# KiCad board Si5351ABreakout_panel.kicad_pcb (continued)
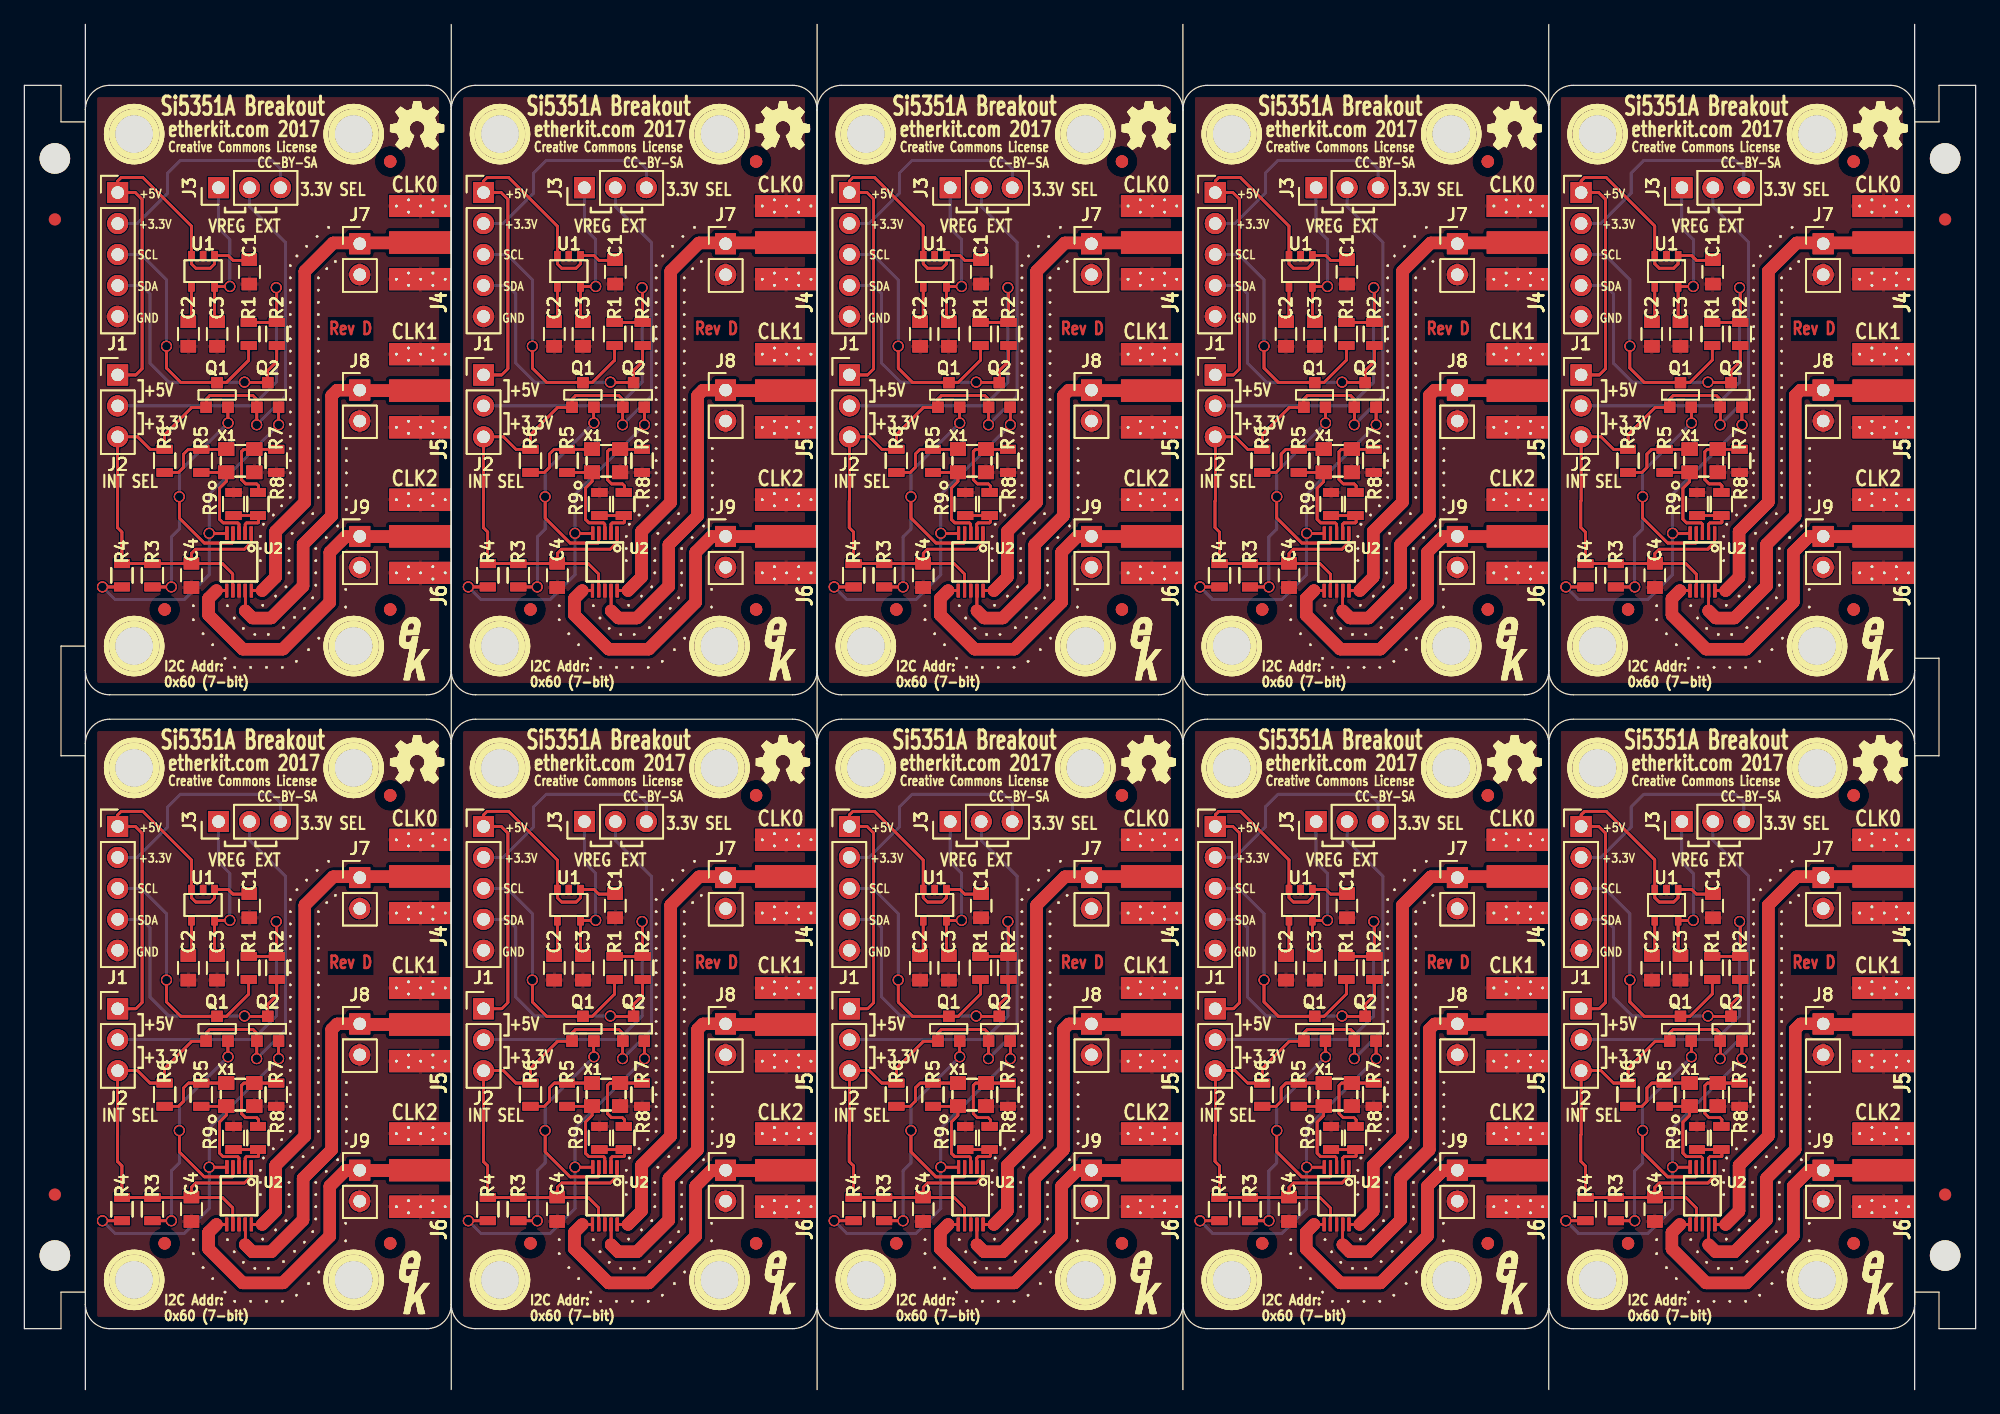
[diagram p0: board, top side]
## Routing (per net, layer and track width the routed paths; a pad name or vN(x,y) marks a point on that pad's centre or on a via; arc(x,y) is an arc through that point) (continued)
  Bottom w0.2: v1(19.05,79.15) 21.4,81.5 ; v1(19.05,79.15) 21.4,81.5 ; v1(19.05,79.15) 21.4,81.5 ; v1(19.05,79.15) 21.4,81.5 ; 21.4,81.5 21.4,94.12 ; 21.4,81.5 21.4,94.12 ; 21.4,81.5 21.4,94.12 ; 21.4,81.5 21.4,94.12 ; 21.4,94.12 18.46,97.06 ; 21.4,94.12 18.46,97.06 ; 21.4,94.12 18.46,97.06 ; 21.4,94.12 18.46,97.06 ; 18.46,97.06 J3.2 ; 18.46,97.06 J3.2 ; 18.46,97.06 J3.2 ; 18.46,97.06 J3.2 ; v1(49.05,79.15) 51.4,81.5 ; v1(49.05,79.15) 51.4,81.5 ; v1(49.05,79.15) 51.4,81.5 ; v1(49.05,79.15) 51.4,81.5 ; 51.4,81.5 51.4,94.12 ; 51.4,81.5 51.4,94.12 ; 51.4,81.5 51.4,94.12 ; 51.4,81.5 51.4,94.12 ; 51.4,94.12 48.46,97.06 ; 51.4,94.12 48.46,97.06 ; 51.4,94.12 48.46,97.06 ; 51.4,94.12 48.46,97.06 ; 48.46,97.06 J3#2.2 ; 48.46,97.06 J3#2.2 ; 48.46,97.06 J3#2.2 ; 48.46,97.06 J3#2.2 ; v1(79.05,79.15) 81.4,81.5 ; v1(79.05,79.15) 81.4,81.5 ; v1(79.05,79.15) 81.4,81.5 ; v1(79.05,79.15) 81.4,81.5 ; 81.4,81.5 81.4,94.12 ; 81.4,81.5 81.4,94.12 ; 81.4,81.5 81.4,94.12 ; 81.4,81.5 81.4,94.12 ; 81.4,94.12 78.46,97.06 ; 81.4,94.12 78.46,97.06 ; 81.4,94.12 78.46,97.06 ; 81.4,94.12 78.46,97.06 ; 78.46,97.06 J3#3.2 ; 78.46,97.06 J3#3.2 ; 78.46,97.06 J3#3.2 ; 78.46,97.06 J3#3.2 ; v1(109.05,79.15) 111.4,81.5 ; v1(109.05,79.15) 111.4,81.5 ; v1(109.05,79.15) 111.4,81.5 ; v1(109.05,79.15) 111.4,81.5 ; 111.4,81.5 111.4,94.12 ; 111.4,81.5 111.4,94.12 ; 111.4,81.5 111.4,94.12 ; 111.4,81.5 111.4,94.12 ; 111.4,94.12 108.46,97.06 ; 111.4,94.12 108.46,97.06 ; 111.4,94.12 108.46,97.06 ; 111.4,94.12 108.46,97.06 ; 108.46,97.06 J3#4.2 ; 108.46,97.06 J3#4.2 ; 108.46,97.06 J3#4.2 ; 108.46,97.06 J3#4.2 ; v1(139.05,79.15) 141.4,81.5 ; v1(139.05,79.15) 141.4,81.5 ; v1(139.05,79.15) 141.4,81.5 ; v1(139.05,79.15) 141.4,81.5 ; 141.4,81.5 141.4,94.12 ; 141.4,81.5 141.4,94.12 ; 141.4,81.5 141.4,94.12 ; 141.4,81.5 141.4,94.12 ; 141.4,94.12 138.46,97.06 ; 141.4,94.12 138.46,97.06 ; 141.4,94.12 138.46,97.06 ; 141.4,94.12 138.46,97.06 ; 138.46,97.06 J3#5.2 ; 138.46,97.06 J3#5.2 ; 138.46,97.06 J3#5.2 ; 138.46,97.06 J3#5.2 ; 138.46,45.06 J3#33.2 ; 138.46,45.06 J3#33.2 ; 138.46,45.06 J3#33.2 ; 138.46,45.06 J3#33.2 ; 138.46,45.06 141.4,42.12 ; 138.46,45.06 141.4,42.12 ; 138.46,45.06 141.4,42.12 ; 138.46,45.06 141.4,42.12 ; 141.4,42.12 141.4,29.5 ; 141.4,42.12 141.4,29.5 ; 141.4,42.12 141.4,29.5 ; 141.4,42.12 141.4,29.5 ; v1(139.05,27.15) 141.4,29.5 ; v1(139.05,27.15) 141.4,29.5 ; v1(139.05,27.15) 141.4,29.5 ; v1(139.05,27.15) 141.4,29.5 ; 111.4,42.12 108.46,45.06 ; 111.4,42.12 108.46,45.06 ; 111.4,42.12 108.46,45.06 ; 111.4,42.12 108.46,45.06 ; 111.4,42.12 111.4,29.5 ; 111.4,42.12 111.4,29.5 ; 111.4,42.12 111.4,29.5 ; 111.4,42.12 111.4,29.5 ; 108.46,45.06 J3#37.2 ; 108.46,45.06 J3#37.2 ; 108.46,45.06 J3#37.2 ; 108.46,45.06 J3#37.2 ; v1(109.05,27.15) 111.4,29.5 ; v1(109.05,27.15) 111.4,29.5 ; v1(109.05,27.15) 111.4,29.5 ; v1(109.05,27.15) 111.4,29.5 ; v1(79.05,27.15) 81.4,29.5 ; v1(79.05,27.15) 81.4,29.5 ; v1(79.05,27.15) 81.4,29.5 ; v1(79.05,27.15) 81.4,29.5 ; 81.4,29.5 81.4,42.12 ; 81.4,29.5 81.4,42.12 ; 81.4,29.5 81.4,42.12 ; 81.4,29.5 81.4,42.12 ; 81.4,42.12 78.46,45.06 ; 81.4,42.12 78.46,45.06 ; 81.4,42.12 78.46,45.06 ; 81.4,42.12 78.46,45.06 ; 78.46,45.06 J3#25.2 ; 78.46,45.06 J3#25.2 ; 78.46,45.06 J3#25.2 ; 78.46,45.06 J3#25.2 ; v1(49.05,27.15) 51.4,29.5 ; v1(49.05,27.15) 51.4,29.5 ; v1(49.05,27.15) 51.4,29.5 ; v1(49.05,27.15) 51.4,29.5 ; 51.4,29.5 51.4,42.12 ; 51.4,29.5 51.4,42.12 ; 51.4,29.5 51.4,42.12 ; 51.4,29.5 51.4,42.12 ; 51.4,42.12 48.46,45.06 ; 51.4,42.12 48.46,45.06 ; 51.4,42.12 48.46,45.06 ; 51.4,42.12 48.46,45.06 ; 48.46,45.06 J3#29.2 ; 48.46,45.06 J3#29.2 ; 48.46,45.06 J3#29.2 ; 48.46,45.06 J3#29.2 ; 18.46,45.06 J3#21.2 ; 18.46,45.06 J3#21.2 ; 18.46,45.06 J3#21.2 ; 18.46,45.06 J3#21.2 ; 18.46,45.06 21.4,42.12 ; 18.46,45.06 21.4,42.12 ; 18.46,45.06 21.4,42.12 ; 18.46,45.06 21.4,42.12 ; v1(19.05,27.15) 21.4,29.5 ; v1(19.05,27.15) 21.4,29.5 ; v1(19.05,27.15) 21.4,29.5 ; v1(19.05,27.15) 21.4,29.5 ; 21.4,29.5 21.4,42.12 ; 21.4,29.5 21.4,42.12 ; 21.4,29.5 21.4,42.12 ; 21.4,29.5 21.4,42.12
+5V: length 1443.2
  Top w0.2: 16.73,93.02 17.1,92.65 ; 16.73,93.02 U1.1 ; 16.73,93.02 17.1,92.65 ; 16.73,93.02 17.1,92.65 ; 16.73,93.02 U1.1 ; 16.73,93.02 U1.1 ; 16.73,93.02 17.1,92.65 ; 16.73,93.02 U1.1 ; 17.1,92.65 18.45,92.65 ; 17.1,92.65 18.45,92.65 ; 17.1,92.65 18.45,92.65 ; 17.1,92.65 18.45,92.65 ; 46.73,93.02 47.1,92.65 ; 46.73,93.02 U1#2.1 ; 46.73,93.02 47.1,92.65 ; 46.73,93.02 47.1,92.65 ; 46.73,93.02 U1#2.1 ; 46.73,93.02 U1#2.1 ; 46.73,93.02 47.1,92.65 ; 46.73,93.02 U1#2.1 ; 47.1,92.65 48.45,92.65 ; 47.1,92.65 48.45,92.65 ; 47.1,92.65 48.45,92.65 ; 47.1,92.65 48.45,92.65 ; 76.73,93.02 77.1,92.65 ; 76.73,93.02 U1#3.1 ; 76.73,93.02 77.1,92.65 ; 76.73,93.02 77.1,92.65 ; 76.73,93.02 U1#3.1 ; 76.73,93.02 U1#3.1 ; 76.73,93.02 77.1,92.65 ; 76.73,93.02 U1#3.1 ; 77.1,92.65 78.45,92.65 ; 77.1,92.65 78.45,92.65 ; 77.1,92.65 78.45,92.65 ; 77.1,92.65 78.45,92.65 ; 106.73,93.02 107.1,92.65 ; 106.73,93.02 U1#4.1 ; 106.73,93.02 107.1,92.65 ; 106.73,93.02 107.1,92.65 ; 106.73,93.02 U1#4.1 ; 106.73,93.02 U1#4.1 ; 106.73,93.02 107.1,92.65 ; 106.73,93.02 U1#4.1 ; 107.1,92.65 108.45,92.65 ; 107.1,92.65 108.45,92.65 ; 107.1,92.65 108.45,92.65 ; 107.1,92.65 108.45,92.65 ; 136.73,93.02 137.1,92.65 ; 136.73,93.02 U1#5.1 ; 136.73,93.02 137.1,92.65 ; 136.73,93.02 137.1,92.65 ; 136.73,93.02 U1#5.1 ; 136.73,93.02 U1#5.1 ; 136.73,93.02 137.1,92.65 ; 136.73,93.02 U1#5.1 ; 137.1,92.65 138.45,92.65 ; 137.1,92.65 138.45,92.65 ; 137.1,92.65 138.45,92.65 ; 137.1,92.65 138.45,92.65 ; 13.7,92.35 14.05,92 ; 13.7,92.35 U1.3 ; 13.7,92.35 14.05,92 ; 13.7,92.35 14.05,92 ; 13.7,92.35 U1.3 ; 13.7,92.35 U1.3 ; 13.7,92.35 14.05,92 ; 13.7,92.35 U1.3 ; 14.05,92 15.25,92 ; 14.05,92 15.25,92 ; 14.05,92 15.25,92 ; 14.05,92 15.25,92 ; 43.7,92.35 44.05,92 ; 43.7,92.35 U1#2.3 ; 43.7,92.35 44.05,92 ; 43.7,92.35 44.05,92 ; 43.7,92.35 U1#2.3 ; 43.7,92.35 U1#2.3 ; 43.7,92.35 44.05,92 ; 43.7,92.35 U1#2.3 ; 44.05,92 45.25,92 ; 44.05,92 45.25,92 ; 44.05,92 45.25,92 ; 44.05,92 45.25,92 ; 73.7,92.35 74.05,92 ; 73.7,92.35 U1#3.3 ; 73.7,92.35 74.05,92 ; 73.7,92.35 74.05,92 ; 73.7,92.35 U1#3.3 ; 73.7,92.35 U1#3.3 ; 73.7,92.35 74.05,92 ; 73.7,92.35 U1#3.3 ; 74.05,92 75.25,92 ; 74.05,92 75.25,92 ; 74.05,92 75.25,92 ; 74.05,92 75.25,92 ; 103.7,92.35 104.05,92 ; 103.7,92.35 U1#4.3 ; 103.7,92.35 104.05,92 ; 103.7,92.35 104.05,92 ; 103.7,92.35 U1#4.3 ; 103.7,92.35 U1#4.3 ; 103.7,92.35 104.05,92 ; 103.7,92.35 U1#4.3 ; 104.05,92 105.25,92 ; 104.05,92 105.25,92 ; 104.05,92 105.25,92 ; 104.05,92 105.25,92 ; 133.7,92.35 134.05,92 ; 133.7,92.35 U1#5.3 ; 133.7,92.35 134.05,92 ; 133.7,92.35 134.05,92 ; 133.7,92.35 U1#5.3 ; 133.7,92.35 U1#5.3 ; 133.7,92.35 134.05,92 ; 133.7,92.35 U1#5.3 ; 134.05,92 135.25,92 ; 134.05,92 135.25,92 ; 134.05,92 135.25,92 ; 134.05,92 135.25,92 ; 15.25,92 15.6,92.35 ; 15.25,92 15.6,92.35 ; 15.25,92 15.6,92.35 ; 15.25,92 15.6,92.35 ; 45.25,92 45.6,92.35 ; 45.25,92 45.6,92.35 ; 45.25,92 45.6,92.35 ; 45.25,92 45.6,92.35 ; 75.25,92 75.6,92.35 ; 75.25,92 75.6,92.35 ; 75.25,92 75.6,92.35 ; 75.25,92 75.6,92.35 ; 105.25,92 105.6,92.35 ; 105.25,92 105.6,92.35 ; 105.25,92 105.6,92.35 ; 105.25,92 105.6,92.35 ; 135.25,92 135.6,92.35 ; 135.25,92 135.6,92.35 ; 135.25,92 135.6,92.35 ; 135.25,92 135.6,92.35 ; 15.6,92.35 U1.1 ; 15.6,92.35 U1.1 ; 15.6,92.35 U1.1 ; 15.6,92.35 U1.1 ; 45.6,92.35 U1#2.1 ; 45.6,92.35 U1#2.1 ; 45.6,92.35 U1#2.1 ; 45.6,92.35 U1#2.1 ; 75.6,92.35 U1#3.1 ; 75.6,92.35 U1#3.1 ; 75.6,92.35 U1#3.1 ; 75.6,92.35 U1#3.1 ; 105.6,92.35 U1#4.1 ; 105.6,92.35 U1#4.1 ; 105.6,92.35 U1#4.1 ; 105.6,92.35 U1#4.1 ; 135.6,92.35 U1#5.1 ; 135.6,92.35 U1#5.1 ; 135.6,92.35 U1#5.1 ; 135.6,92.35 U1#5.1 ; 9.14,83.24 9.65,83.75 ; 9.14,83.24 J2.1 ; 9.14,83.24 9.65,83.75 ; 9.14,83.24 9.65,83.75 ; 9.14,83.24 J2.1 ; 9.14,83.24 J2.1 ; 9.14,83.24 9.65,83.75 ; 9.14,83.24 J2.1 ; 9.65,83.75 9.65,97.65 ; 9.65,83.75 9.65,97.65 ; 9.65,83.75 9.65,97.65 ; 9.65,83.75 9.65,97.65 ; 39.14,83.24 39.65,83.75 ; 39.14,83.24 J2#2.1 ; 39.14,83.24 39.65,83.75 ; 39.14,83.24 39.65,83.75 ; 39.14,83.24 J2#2.1 ; 39.14,83.24 J2#2.1 ; 39.14,83.24 39.65,83.75 ; 39.14,83.24 J2#2.1 ; 39.65,83.75 39.65,97.65 ; 39.65,83.75 39.65,97.65 ; 39.65,83.75 39.65,97.65 ; 39.65,83.75 39.65,97.65 ; 69.14,83.24 69.65,83.75 ; 69.14,83.24 J2#3.1 ; 69.14,83.24 69.65,83.75 ; 69.14,83.24 69.65,83.75 ; 69.14,83.24 J2#3.1 ; 69.14,83.24 J2#3.1 ; 69.14,83.24 69.65,83.75 ; 69.14,83.24 J2#3.1 ; 69.65,83.75 69.65,97.65 ; 69.65,83.75 69.65,97.65 ; 69.65,83.75 69.65,97.65 ; 69.65,83.75 69.65,97.65 ; 99.14,83.24 99.65,83.75 ; 99.14,83.24 J2#4.1 ; 99.14,83.24 99.65,83.75 ; 99.14,83.24 99.65,83.75 ; 99.14,83.24 J2#4.1 ; 99.14,83.24 J2#4.1 ; 99.14,83.24 99.65,83.75 ; 99.14,83.24 J2#4.1 ; 99.65,83.75 99.65,97.65 ; 99.65,83.75 99.65,97.65 ; 99.65,83.75 99.65,97.65 ; 99.65,83.75 99.65,97.65 ; 129.14,83.24 129.65,83.75 ; 129.14,83.24 J2#5.1 ; 129.14,83.24 129.65,83.75 ; 129.14,83.24 129.65,83.75 ; 129.14,83.24 J2#5.1 ; 129.14,83.24 J2#5.1 ; 129.14,83.24 129.65,83.75 ; 129.14,83.24 J2#5.1 ; 129.65,83.75 129.65,97.65 ; 129.65,83.75 129.65,97.65 ; 129.65,83.75 129.65,97.65 ; 129.65,83.75 129.65,97.65 ; 9.65,97.65 9.1,98.2 ; 9.65,97.65 9.1,98.2 ; 9.65,97.65 9.1,98.2 ; 9.65,97.65 9.1,98.2 ; 39.65,97.65 39.1,98.2 ; 39.65,97.65 39.1,98.2 ; 39.65,97.65 39.1,98.2 ; 39.65,97.65 39.1,98.2 ; 69.65,97.65 69.1,98.2 ; 69.65,97.65 69.1,98.2 ; 69.65,97.65 69.1,98.2 ; 69.65,97.65 69.1,98.2 ; 99.65,97.65 99.1,98.2 ; 99.65,97.65 99.1,98.2 ; 99.65,97.65 99.1,98.2 ; 99.65,97.65 99.1,98.2 ; 129.65,97.65 129.1,98.2 ; 129.65,97.65 129.1,98.2 ; 129.65,97.65 129.1,98.2 ; 129.65,97.65 129.1,98.2 ; 9.1,98.2 J1.1 ; 9.1,98.2 J1.1 ; 9.1,98.2 J1.1 ; 9.1,98.2 J1.1 ; 39.1,98.2 J1#2.1 ; 39.1,98.2 J1#2.1 ; 39.1,98.2 J1#2.1 ; 39.1,98.2 J1#2.1 ; 69.1,98.2 J1#3.1 ; 69.1,98.2 J1#3.1 ; 69.1,98.2 J1#3.1 ; 69.1,98.2 J1#3.1 ; 99.1,98.2 J1#4.1 ; 99.1,98.2 J1#4.1 ; 99.1,98.2 J1#4.1 ; 99.1,98.2 J1#4.1 ; 129.1,98.2 J1#5.1 ; 129.1,98.2 J1#5.1 ; 129.1,98.2 J1#5.1 ; 129.1,98.2 J1#5.1 ; J1.1 7.65,99.15 ; J1.1 7.65,99.15 ; J1.1 7.65,99.15 ; J1.1 7.65,99.15 ; J1#2.1 37.65,99.15 ; J1#2.1 37.65,99.15 ; J1#2.1 37.65,99.15 ; J1#2.1 37.65,99.15 ; J1#3.1 67.65,99.15 ; J1#3.1 67.65,99.15 ; J1#3.1 67.65,99.15 ; J1#3.1 67.65,99.15 ; J1#4.1 97.65,99.15 ; J1#4.1 97.65,99.15 ; J1#4.1 97.65,99.15 ; J1#4.1 97.65,99.15 ; J1#5.1 127.65,99.15 ; J1#5.1 127.65,99.15 ; J1#5.1 127.65,99.15 ; J1#5.1 127.65,99.15 ; 13.7,95.45 9.7,99.45 ; 13.7,95.45 U1.3 ; 13.7,95.45 9.7,99.45 ; 13.7,95.45 9.7,99.45 ; 13.7,95.45 U1.3 ; 13.7,95.45 U1.3 ; 13.7,95.45 9.7,99.45 ; 13.7,95.45 U1.3 ; 9.7,99.45 7.95,99.45 ; 9.7,99.45 7.95,99.45 ; 9.7,99.45 7.95,99.45 ; 9.7,99.45 7.95,99.45 ; 43.7,95.45 39.7,99.45 ; 43.7,95.45 U1#2.3 ; 43.7,95.45 39.7,99.45 ; 43.7,95.45 39.7,99.45 ; 43.7,95.45 U1#2.3 ; 43.7,95.45 U1#2.3 ; 43.7,95.45 39.7,99.45 ; 43.7,95.45 U1#2.3 ; 39.7,99.45 37.95,99.45 ; 39.7,99.45 37.95,99.45 ; 39.7,99.45 37.95,99.45 ; 39.7,99.45 37.95,99.45 ; 73.7,95.45 69.7,99.45 ; 73.7,95.45 U1#3.3 ; 73.7,95.45 69.7,99.45 ; 73.7,95.45 69.7,99.45 ; 73.7,95.45 U1#3.3 ; 73.7,95.45 U1#3.3 ; 73.7,95.45 69.7,99.45 ; 73.7,95.45 U1#3.3 ; 69.7,99.45 67.95,99.45 ; 69.7,99.45 67.95,99.45 ; 69.7,99.45 67.95,99.45 ; 69.7,99.45 67.95,99.45 ; 103.7,95.45 99.7,99.45 ; 103.7,95.45 U1#4.3 ; 103.7,95.45 99.7,99.45 ; 103.7,95.45 99.7,99.45 ; 103.7,95.45 U1#4.3 ; 103.7,95.45 U1#4.3 ; 103.7,95.45 99.7,99.45 ; 103.7,95.45 U1#4.3 ; 99.7,99.45 97.95,99.45 ; 99.7,99.45 97.95,99.45 ; 99.7,99.45 97.95,99.45 ; 99.7,99.45 97.95,99.45 ; 133.7,95.45 129.7,99.45 ; 133.7,95.45 U1#5.3 ; 133.7,95.45 129.7,99.45 ; 133.7,95.45 129.7,99.45 ; 133.7,95.45 U1#5.3 ; 133.7,95.45 U1#5.3 ; 133.7,95.45 129.7,99.45 ; 133.7,95.45 U1#5.3 ; 129.7,99.45 127.95,99.45 ; 129.7,99.45 127.95,99.45 ; 129.7,99.45 127.95,99.45 ; 129.7,99.45 127.95,99.45 ; 7.95,99.45 7.65,99.15 ; 7.95,99.45 7.65,99.15 ; 7.95,99.45 7.65,99.15 ; 7.95,99.45 7.65,99.15 ; 37.95,99.45 37.65,99.15 ; 37.95,99.45 37.65,99.15 ; 37.95,99.45 37.65,99.15 ; 37.95,99.45 37.65,99.15 ; 67.95,99.45 67.65,99.15 ; 67.95,99.45 67.65,99.15 ; 67.95,99.45 67.65,99.15 ; 67.95,99.45 67.65,99.15 ; 97.95,99.45 97.65,99.15 ; 97.95,99.45 97.65,99.15 ; 97.95,99.45 97.65,99.15 ; 97.95,99.45 97.65,99.15 ; 127.95,99.45 127.65,99.15 ; 127.95,99.45 127.65,99.15 ; 127.95,99.45 127.65,99.15 ; 127.95,99.45 127.65,99.15 ; 105.6,40.35 U1#37.1 ; 105.6,40.35 U1#37.1 ; 105.6,40.35 U1#37.1 ; 105.6,40.35 105.25,40 ; 105.6,40.35 105.25,40 ; 105.6,40.35 U1#37.1 ; 105.6,40.35 105.25,40 ; 105.6,40.35 105.25,40 ; U1#37.1 106.73,41.02 ; U1#37.1 106.73,41.02 ; U1#37.1 106.73,41.02 ; U1#37.1 106.73,41.02 ; 105.25,40 104.05,40 ; 105.25,40 104.05,40 ; 105.25,40 104.05,40 ; 105.25,40 104.05,40 ; U1#37.3 103.7,40.35 ; U1#37.3 103.7,40.35 ; U1#37.3 103.7,40.35 ; U1#37.3 103.7,40.35 ; U1#37.3 103.7,43.45 ; U1#37.3 103.7,43.45 ; U1#37.3 103.7,43.45 ; U1#37.3 103.7,43.45 ; 103.7,40.35 104.05,40 ; 103.7,40.35 104.05,40 ; 103.7,40.35 104.05,40 ; 103.7,40.35 104.05,40 ; J2#37.1 99.14,31.24 ; J2#37.1 99.14,31.24 ; J2#37.1 99.14,31.24 ; J2#37.1 99.14,31.24 ; 99.14,31.24 99.65,31.75 ; 99.14,31.24 99.65,31.75 ; 99.14,31.24 99.65,31.75 ; 99.14,31.24 99.65,31.75 ; 99.65,31.75 99.65,45.65 ; 99.65,31.75 99.65,45.65 ; 99.65,31.75 99.65,45.65 ; 99.65,31.75 99.65,45.65 ; 99.65,45.65 99.1,46.2 ; 99.65,45.65 99.1,46.2 ; 99.65,45.65 99.1,46.2 ; 99.65,45.65 99.1,46.2 ; 99.1,46.2 J1#37.1 ; 99.1,46.2 J1#37.1 ; 99.1,46.2 J1#37.1 ; 99.1,46.2 J1#37.1 ; J1#37.1 97.65,47.15 ; J1#37.1 97.65,47.15 ; J1#37.1 97.65,47.15 ; J1#37.1 97.65,47.15 ; 97.65,47.15 97.95,47.45 ; 97.65,47.15 97.95,47.45 ; 97.65,47.15 97.95,47.45 ; 97.65,47.15 97.95,47.45 ; 103.7,43.45 99.7,47.45 ; 103.7,43.45 99.7,47.45 ; 103.7,43.45 99.7,47.45 ; 103.7,43.45 99.7,47.45 ; 99.7,47.45 97.95,47.45 ; 99.7,47.45 97.95,47.45 ; 99.7,47.45 97.95,47.45 ; 99.7,47.45 97.95,47.45 ; 135.25,40 135.6,40.35 ; 135.25,40 135.6,40.35 ; 135.25,40 135.6,40.35 ; 135.25,40 135.6,40.35 ; 135.25,40 134.05,40 ; 135.25,40 134.05,40 ; 135.25,40 134.05,40 ; 135.25,40 134.05,40 ; 135.6,40.35 U1#33.1 ; 135.6,40.35 U1#33.1 ; 135.6,40.35 U1#33.1 ; 135.6,40.35 U1#33.1 ; 136.73,41.02 137.1,40.65 ; 136.73,41.02 U1#33.1 ; 136.73,41.02 U1#33.1 ; 136.73,41.02 U1#33.1 ; 136.73,41.02 U1#33.1 ; 136.73,41.02 137.1,40.65 ; 136.73,41.02 137.1,40.65 ; 136.73,41.02 137.1,40.65 ; 137.1,40.65 138.45,40.65 ; 137.1,40.65 138.45,40.65 ; 137.1,40.65 138.45,40.65 ; 137.1,40.65 138.45,40.65 ; 134.05,40 133.7,40.35 ; 134.05,40 133.7,40.35 ; 134.05,40 133.7,40.35 ; 134.05,40 133.7,40.35 ; 133.7,40.35 U1#33.3 ; 133.7,40.35 U1#33.3 ; 133.7,40.35 U1#33.3 ; 133.7,40.35 U1#33.3 ; U1#33.3 133.7,43.45 ; U1#33.3 133.7,43.45 ; U1#33.3 133.7,43.45 ; U1#33.3 133.7,43.45 ; 129.1,46.2 J1#33.1 ; 129.1,46.2 J1#33.1 ; 129.1,46.2 J1#33.1 ; 129.1,46.2 J1#33.1 ; 129.1,46.2 129.65,45.65 ; 129.1,46.2 129.65,45.65 ; 129.1,46.2 129.65,45.65 ; 129.1,46.2 129.65,45.65 ; J1#33.1 127.65,47.15 ; J1#33.1 127.65,47.15 ; J1#33.1 127.65,47.15 ; J1#33.1 127.65,47.15 ; 127.65,47.15 127.95,47.45 ; 127.65,47.15 127.95,47.45 ; 127.65,47.15 127.95,47.45 ; 127.65,47.15 127.95,47.45 ; 133.7,43.45 129.7,47.45 ; 133.7,43.45 129.7,47.45 ; 133.7,43.45 129.7,47.45 ; 133.7,43.45 129.7,47.45 ; 129.65,31.75 129.65,45.65 ; 129.65,31.75 129.65,45.65 ; 129.65,31.75 129.65,45.65 ; 129.65,31.75 129.65,45.65 ; 129.65,31.75 129.14,31.24 ; 129.65,31.75 129.14,31.24 ; 129.65,31.75 129.14,31.24 ; 129.65,31.75 129.14,31.24 ; 127.95,47.45 129.7,47.45 ; 127.95,47.45 129.7,47.45 ; 127.95,47.45 129.7,47.45 ; 127.95,47.45 129.7,47.45 ; 129.14,31.24 J2#33.1 ; 129.14,31.24 J2#33.1 ; 129.14,31.24 J2#33.1 ; 129.14,31.24 J2#33.1 ; 107.1,40.65 108.45,40.65 ; 107.1,40.65 108.45,40.65 ; 107.1,40.65 108.45,40.65 ; 107.1,40.65 108.45,40.65 ; 107.1,40.65 106.73,41.02 ; 107.1,40.65 106.73,41.02 ; 107.1,40.65 106.73,41.02 ; 107.1,40.65 106.73,41.02 ; 69.65,45.65 69.1,46.2 ; 69.65,45.65 69.1,46.2 ; 69.65,45.65 69.1,46.2 ; 69.65,45.65 69.65,31.75 ; 69.65,45.65 69.65,31.75 ; 69.65,45.65 69.65,31.75 ; 69.65,45.65 69.1,46.2 ; 69.65,45.65 69.65,31.75 ; 69.1,46.2 J1#29.1 ; 69.1,46.2 J1#29.1 ; 69.1,46.2 J1#29.1 ; 69.1,46.2 J1#29.1 ; 73.7,43.45 69.7,47.45 ; 73.7,43.45 69.7,47.45 ; 73.7,43.45 U1#25.3 ; 73.7,43.45 U1#25.3 ; 73.7,43.45 69.7,47.45 ; 73.7,43.45 U1#25.3 ; 73.7,43.45 U1#25.3 ; 73.7,43.45 69.7,47.45 ; 69.7,47.45 67.95,47.45 ; 69.7,47.45 67.95,47.45 ; 69.7,47.45 67.95,47.45 ; 69.7,47.45 67.95,47.45 ; U1#25.3 73.7,40.35 ; U1#25.3 73.7,40.35 ; U1#25.3 73.7,40.35 ; U1#25.3 73.7,40.35 ; 73.7,40.35 74.05,40 ; 73.7,40.35 74.05,40 ; 73.7,40.35 74.05,40 ; 73.7,40.35 74.05,40 ; 67.95,47.45 67.65,47.15 ; 67.95,47.45 67.65,47.15 ; 67.95,47.45 67.65,47.15 ; 67.95,47.45 67.65,47.15 ; 67.65,47.15 J1#29.1 ; 67.65,47.15 J1#29.1 ; 67.65,47.15 J1#29.1 ; 67.65,47.15 J1#29.1 ; 76.73,41.02 77.1,40.65 ; 76.73,41.02 77.1,40.65 ; 76.73,41.02 77.1,40.65 ; 76.73,41.02 77.1,40.65 ; 76.73,41.02 U1#25.1 ; 76.73,41.02 U1#25.1 ; 76.73,41.02 U1#25.1 ; 76.73,41.02 U1#25.1 ; 77.1,40.65 78.45,40.65 ; 77.1,40.65 78.45,40.65 ; 77.1,40.65 78.45,40.65 ; 77.1,40.65 78.45,40.65 ; J2#21.1 69.14,31.24 ; J2#21.1 69.14,31.24 ; J2#21.1 69.14,31.24 ; J2#21.1 69.14,31.24 ; 69.14,31.24 69.65,31.75 ; 69.14,31.24 69.65,31.75 ; 69.14,31.24 69.65,31.75 ; 69.14,31.24 69.65,31.75 ; 74.05,40 75.25,40 ; 74.05,40 75.25,40 ; 74.05,40 75.25,40 ; 74.05,40 75.25,40 ; 75.25,40 75.6,40.35 ; 75.25,40 75.6,40.35 ; 75.25,40 75.6,40.35 ; 75.25,40 75.6,40.35 ; 75.6,40.35 U1#25.1 ; 75.6,40.35 U1#25.1 ; 75.6,40.35 U1#25.1 ; 75.6,40.35 U1#25.1 ; U1#21.1 16.73,41.02 ; U1#21.1 16.73,41.02 ; U1#21.1 16.73,41.02 ; U1#21.1 16.73,41.02 ; U1#21.1 15.6,40.35 ; U1#21.1 15.6,40.35 ; U1#21.1 15.6,40.35 ; U1#21.1 15.6,40.35 ; 16.73,41.02 17.1,40.65 ; 16.73,41.02 17.1,40.65 ; 16.73,41.02 17.1,40.65 ; 16.73,41.02 17.1,40.65 ; 17.1,40.65 18.45,40.65 ; 17.1,40.65 18.45,40.65 ; 17.1,40.65 18.45,40.65 ; 17.1,40.65 18.45,40.65 ; U1#21.3 13.7,40.35 ; U1#21.3 13.7,40.35 ; U1#21.3 13.7,40.35 ; U1#21.3 13.7,40.35 ; U1#21.3 13.7,43.45 ; U1#21.3 13.7,43.45 ; U1#21.3 13.7,43.45 ; U1#21.3 13.7,43.45 ; 13.7,40.35 14.05,40 ; 13.7,40.35 14.05,40 ; 13.7,40.35 14.05,40 ; 13.7,40.35 14.05,40 ; 14.05,40 15.25,40 ; 14.05,40 15.25,40 ; 14.05,40 15.25,40 ; 14.05,40 15.25,40 ; 15.25,40 15.6,40.35 ; 15.25,40 15.6,40.35 ; 15.25,40 15.6,40.35 ; 15.25,40 15.6,40.35 ; 9.65,31.75 9.65,45.65 ; 9.65,31.75 9.65,45.65 ; 9.65,31.75 9.65,45.65 ; 9.65,31.75 9.14,31.24 ; 9.65,31.75 9.65,45.65 ; 9.65,31.75 9.14,31.24 ; 9.65,31.75 9.14,31.24 ; 9.65,31.75 9.14,31.24 ; 9.65,45.65 9.1,46.2 ; 9.65,45.65 9.1,46.2 ; 9.65,45.65 9.1,46.2 ; 9.65,45.65 9.1,46.2 ; 9.14,31.24 J2#25.1 ; 9.14,31.24 J2#25.1 ; 9.14,31.24 J2#25.1 ; 9.14,31.24 J2#25.1 ; 13.7,43.45 9.7,47.45 ; 13.7,43.45 9.7,47.45 ; 13.7,43.45 9.7,47.45 ; 13.7,43.45 9.7,47.45 ; 9.7,47.45 7.95,47.45 ; 9.7,47.45 7.95,47.45 ; 9.7,47.45 7.95,47.45 ; 9.7,47.45 7.95,47.45 ; 7.95,47.45 7.65,47.15 ; 7.95,47.45 7.65,47.15 ; 7.95,47.45 7.65,47.15 ; 7.95,47.45 7.65,47.15 ; 7.65,47.15 J1#21.1 ; 7.65,47.15 J1#21.1 ; 7.65,47.15 J1#21.1 ; 7.65,47.15 J1#21.1 ; J1#21.1 9.1,46.2 ; J1#21.1 9.1,46.2 ; J1#21.1 9.1,46.2 ; J1#21.1 9.1,46.2 ; J2#29.1 39.14,31.24 ; J2#29.1 39.14,31.24 ; J2#29.1 39.14,31.24 ; J2#29.1 39.14,31.24 ; 39.14,31.24 39.65,31.75 ; 39.14,31.24 39.65,31.75 ; 39.14,31.24 39.65,31.75 ; 39.14,31.24 39.65,31.75 ; 39.65,31.75 39.65,45.65 ; 39.65,31.75 39.65,45.65 ; 39.65,31.75 39.65,45.65 ; 39.65,31.75 39.65,45.65 ; 43.7,40.35 44.05,40 ; 43.7,40.35 44.05,40 ; 43.7,40.35 U1#29.3 ; 43.7,40.35 U1#29.3 ; 43.7,40.35 U1#29.3 ; 43.7,40.35 44.05,40 ; 43.7,40.35 U1#29.3 ; 43.7,40.35 44.05,40 ; 44.05,40 45.25,40 ; 44.05,40 45.25,40 ; 44.05,40 45.25,40 ; 44.05,40 45.25,40 ; U1#29.3 43.7,43.45 ; U1#29.3 43.7,43.45 ; U1#29.3 43.7,43.45 ; U1#29.3 43.7,43.45 ; 45.25,40 45.6,40.35 ; 45.25,40 45.6,40.35 ; 45.25,40 45.6,40.35 ; 45.25,40 45.6,40.35 ; 45.6,40.35 U1#29.1 ; 45.6,40.35 U1#29.1 ; 45.6,40.35 U1#29.1 ; 45.6,40.35 U1#29.1 ; U1#29.1 46.73,41.02 ; U1#29.1 46.73,41.02 ; U1#29.1 46.73,41.02 ; U1#29.1 46.73,41.02 ; 46.73,41.02 47.1,40.65 ; 46.73,41.02 47.1,40.65 ; 46.73,41.02 47.1,40.65 ; 46.73,41.02 47.1,40.65 ; 47.1,40.65 48.45,40.65 ; 47.1,40.65 48.45,40.65 ; 47.1,40.65 48.45,40.65 ; 47.1,40.65 48.45,40.65 ; 43.7,43.45 39.7,47.45 ; 43.7,43.45 39.7,47.45 ; 43.7,43.45 39.7,47.45 ; 43.7,43.45 39.7,47.45 ; 39.7,47.45 37.95,47.45 ; 39.7,47.45 37.95,47.45 ; 39.7,47.45 37.95,47.45 ; 39.7,47.45 37.95,47.45 ; 37.95,47.45 37.65,47.15 ; 37.95,47.45 37.65,47.15 ; 37.95,47.45 37.65,47.15 ; 37.95,47.45 37.65,47.15 ; 37.65,47.15 J1#25.1 ; 37.65,47.15 J1#25.1 ; 37.65,47.15 J1#25.1 ; 37.65,47.15 J1#25.1 ; J1#25.1 39.1,46.2 ; J1#25.1 39.1,46.2 ; J1#25.1 39.1,46.2 ; J1#25.1 39.1,46.2 ; 39.1,46.2 39.65,45.65 ; 39.1,46.2 39.65,45.65 ; 39.1,46.2 39.65,45.65 ; 39.1,46.2 39.65,45.65
